# KiCad board coconut42.kicad_pcb (continued)
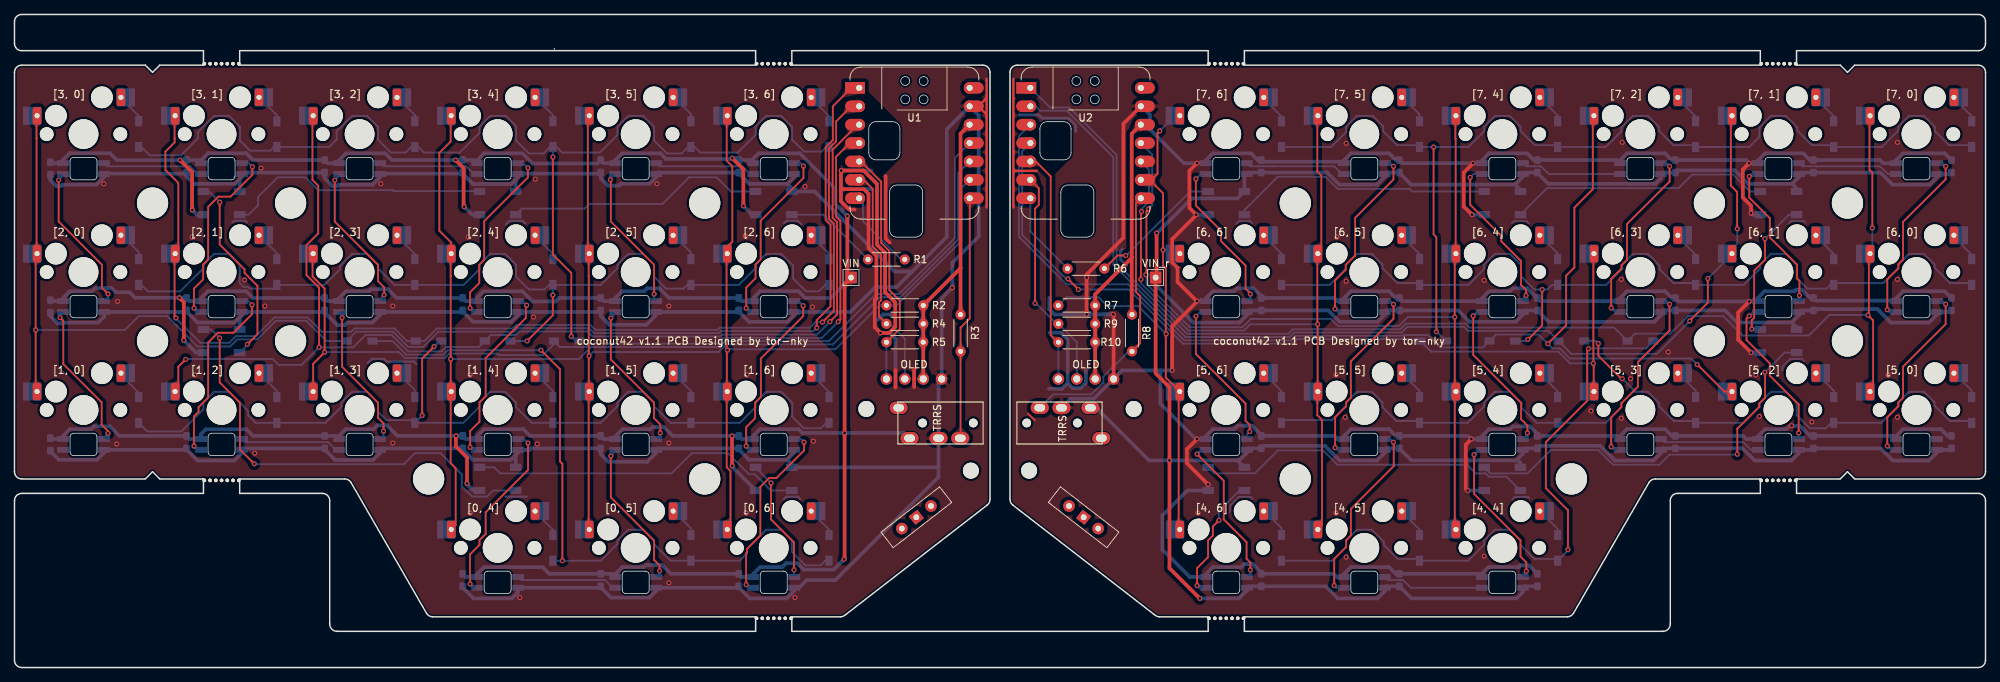
[diagram p0: board, top side]
## Routing (per net, layer and track width the routed paths; a pad name or vN(x,y) marks a point on that pad's centre or on a via; arc(x,y) is an arc through that point) (continued)
Net-(D13-K): length 4
  Bottom w0.254: SW13.2 15.37,59.16 17.15,57.39 D13.1
Net-(D14-K): length 4
  Bottom w0.254: D14.1 36.2,57.26 34.42,59.04 SW14.2
Net-(D15-K): length 4
  Bottom w0.254: D15.1 55.25,57.13 53.47,58.91 SW15.2
Net-(D16-K): length 4
  Bottom w0.254: D16.1 74.3,57.13 72.52,58.91 SW16.2
Net-(D17-K): length 4
  Bottom w0.254: D17.1 93.35,57.33 91.57,59.11 SW17.2
Net-(D18-K): length 4
  Bottom w0.254: D18.1 112.4,57.18 110.62,58.96 SW18.2
Net-(D19-A): length 128
  Top w0.254: v1(210.82,52.21) 210.82,47.26 208.87,45.31 v1(208.83,45.31)
  Bottom w0.254: D48.1 208.62,45.1 v1(208.83,45.31) ; D24.2 269.84,53.1 267.09,53.1 264.98,55.21 264.98,55.66 263.51,57.13 261.44,57.13 259.94,55.63 259.94,55.13 257.9,53.1 251.3,53.1 D23.2 250.57,52.85 250.06,52.34 247.4,52.34 245.93,53.8 245.93,55.66 244.46,57.13 242.39,57.13 240.92,55.66 240.92,55.14 238.63,52.85 D22.2 231.74,53.1 228.92,53.1 227.02,55.01 227.02,55.53 225.41,57.13 223.34,57.13 221.87,55.66 221.87,55.06 219.65,52.85 D21.2 212.16,52.85 211.52,52.21 v1(210.82,52.21) 209.74,52.21 207.9,54.05 207.9,55.6 206.36,57.13 204.29,57.13 202.82,55.66 202.82,55.04 200.63,52.85 D20.2 193.64,53.1 190.85,53.1 188.78,55.17 188.78,55.66 187.31,57.13 185.24,57.13 183.77,55.66 183.77,55.13 181.49,52.85 D19.2
Net-(D19-K): length 4
  Bottom w0.254: D19.1 174.85,57.17 173.07,58.94 SW19.2
Net-(D20-K): length 4
  Bottom w0.254: D20.1 193.9,57.11 192.12,58.89 SW20.2
Net-(D21-K): length 4
  Bottom w0.254: D21.1 212.95,57.22 211.17,58.99 SW21.2
Net-(D22-K): length 4
  Bottom w0.254: D22.1 232,57.01 230.22,58.79 SW22.2
Net-(D23-K): length 4
  Bottom w0.254: D23.1 251.05,57.11 249.27,58.89 SW23.2
Net-(D24-K): length 4
  Bottom w0.254: D24.1 270.1,57.01 268.32,58.79 SW24.2
Net-(D25-A): length 132.7
  Top w0.254: v1(57.91,44.34) 56.26,42.69 v1(56.26,34.81)
  Bottom w0.254: D27.2 54.88,34.17 51.32,34.17 50.17,35.32 50.17,36.58 48.66,38.08 46.59,38.08 45.12,36.61 45.12,35.99 42.93,33.8 D26.2 33.27,33.8 32.25,34.82 32.25,35.45 29.61,38.08 27.54,38.08 26.07,36.61 26.07,35.65 23.01,32.6 18.35,32.6 D25.2 ; D27.2 55.25,33.8 v1(56.26,34.81) ; D27.2 61.95,33.8 64.17,36.02 64.17,36.61 65.64,38.08 67.71,38.08 69.22,36.58 69.22,35.96 71.37,33.8 D28.2 80.9,33.8 83.22,36.12 83.22,36.61 84.69,38.08 86.76,38.08 88.27,36.58 88.27,36.08 90.55,33.8 D29.2 100.08,33.8 102.27,35.99 102.27,36.61 103.74,38.08 105.81,38.08 107.34,36.56 107.34,34.64 108.94,33.04 111.25,33.04 112.02,33.8 D30.2 ; 57.66,44.34 v1(57.91,44.34) 58.67,45.1 D45.1
Net-(D25-K): length 4
  Bottom w0.254: D25.1 17.15,37.95 15.37,39.73 SW25.2
Net-(D26-K): length 4
  Bottom w0.254: SW26.2 34.42,39.99 36.2,38.21 D26.1
Net-(D27-K): length 4
  Bottom w0.254: D27.1 55.25,38.34 53.47,40.11 SW27.2
Net-(D28-K): length 4
  Bottom w0.254: SW28.2 72.52,39.99 74.3,38.21 D28.1
Net-(D29-K): length 4
  Bottom w0.254: D29.1 93.35,38.21 91.57,39.99 SW29.2
Net-(D30-K): length 4
  Bottom w0.254: SW30.2 110.62,39.86 112.4,38.08 D30.1
Net-(D31-A): length 128.2
  Top w0.254: v1(221.87,39.89) 221.74,39.89 218.57,43.07 218.57,44.76 v1(218.57,44.76)
  Bottom w0.254: 223.34,38.08 223.34,38.46 223.01,38.79 222.97,38.79 v1(221.87,39.89) ; 223.34,38.08 221.74,36.49 221.74,35.96 219.59,33.8 D33.2 212.94,33.8 210.06,33.8 207.99,35.86 207.99,36.45 206.36,38.08 204.29,38.08 202.82,36.61 202.82,36.09 200.53,33.8 D32.2 193.64,34.05 190.69,34.05 188.79,35.96 188.79,36.61 187.31,38.08 185.24,38.08 183.77,36.61 183.77,36.16 181.78,34.17 180.61,34.17 180.6,34.18 175.22,34.18 D31.2 ; 223.34,38.08 225.41,38.08 225.41,38.08 226.95,36.55 226.95,36.09 228.99,34.05 231.74,34.05 D34.2 238.63,33.8 240.86,36.03 240.86,36.56 242.39,38.08 244.46,38.08 245.93,36.61 245.93,34.88 247.78,33.04 249.94,33.04 250.7,33.8 D35.2 257.61,33.8 259.97,36.16 259.97,36.61 261.44,38.08 263.51,38.08 264.96,36.63 264.96,36.18 267.09,34.05 269.84,34.05 D36.2 ; v1(218.57,44.76) 218.23,45.1 D49.1
Net-(D31-K): length 4
  Bottom w0.254: SW31.2 173.07,39.94 174.85,38.17 D31.1
Net-(D32-K): length 4
  Bottom w0.254: D32.1 193.9,38.22 192.12,39.99 SW32.2
Net-(D33-K): length 4
  Bottom w0.254: SW33.2 211.17,39.94 212.95,38.17 D33.1
Net-(D34-K): length 4
  Bottom w0.254: SW34.2 230.22,40.05 232,38.27 D34.1
Net-(D35-K): length 4
  Bottom w0.254: D35.1 251.05,38.27 249.27,40.05 SW35.2
Net-(D36-K): length 4
  Bottom w0.254: SW36.2 268.32,40.05 270.1,38.27 D36.1
Net-(D37-A): length 102.2
  Top w0.254: v1(72.64,43.83) 75.28,41.2 75.28,28.46 75.61,28.13 v1(75.61,14.75)
  Bottom w0.254: D39.2 111.89,14.75 111.25,14.11 109.15,14.11 107.28,15.98 107.28,17.56 105.81,19.03 103.74,19.03 101.1,16.4 101.1,15.78 100.08,14.75 D38.2 90.55,14.75 88.27,17.03 88.27,17.53 86.76,19.03 84.69,19.03 83.22,17.56 83.22,17.07 80.9,14.75 v1(75.61,14.75) D37.2 ; v1(72.64,43.83) 72.63,43.82 59.8,43.82 59.19,43.21 54.06,43.21 52.16,45.1 D46.1
Net-(D37-K): length 4
  Bottom w0.254: D37.1 74.3,19.03 72.52,20.81 SW37.2
Net-(D38-K): length 4
  Bottom w0.254: SW38.2 91.57,21.01 93.35,19.23 D38.1
Net-(D39-K): length 4
  Bottom w0.254: SW39.2 110.62,20.84 112.4,19.07 D39.1
Net-(D40-A): length 89.7
  Top w0.254: v1(214.38,16.27) 214.38,21.72 211.33,24.77 211.33,31.13 217.04,36.84 217.04,43.88 v1(217.21,44.05)
  Bottom w0.254: v1(214.38,16.27) 214.38,16.18 D42.2 212.69,15 209.74,15 207.83,16.91 207.83,17.56 206.36,19.03 204.29,19.03 202.82,17.56 202.82,16.91 202.76,16.91 200.6,14.75 D41.2 193.64,15 190.89,15 188.98,16.91 188.98,17.37 187.31,19.03 185.24,19.03 183.77,17.56 183.77,16.69 181.83,14.75 D40.2 ; D50.1 225.13,44.08 217.25,44.08 v1(217.21,44.05)
Net-(D40-K): length 4
  Bottom w0.254: D40.1 174.85,19.27 173.07,21.05 SW40.2
Net-(D41-K): length 4
  Bottom w0.254: D41.1 193.9,19.07 192.12,20.84 SW41.2
Net-(D42-K): length 4
  Bottom w0.254: D42.1 212.95,19.17 211.17,20.94 SW42.2
Net-(LED1-DOUT): length 36
  Bottom w0.254: LED2.4 70.01,63.39 78.68,63.39 79.31,64.02 89.41,64.02 93.09,67.71 96.9,67.71 98.86,65.75 LED1.2
Net-(LED2-DOUT): length 36.7
  Bottom w0.254: LED2.2 64.12,65.8 52.32,65.8 52.2,65.93 41.91,65.93 40.13,67.71 36.32,67.71 33.62,65.01 33.62,63.86 32.32,62.55 LED3.4
Net-(LED3-DOUT): length 26.8
  Top w0.254: v1(32.13,44.65) 33.53,46.05 33.53,52.72 31.75,54.5 31.75,55 28.32,58.42 v1(28.32,64.28)
  Bottom w0.254: v1(28.32,64.28) 26.85,65.75 LED3.2 ; LED4.4 32.13,44.56 v1(32.13,44.65)
Net-(LED4-DOUT): length 62.6
  Top w0.254: v1(28.3,45.52) 28.32,45.51 28.32,39.37 31.12,36.58 31.12,30.11 v1(33.09,28.14)
  Bottom w0.254: v1(28.3,45.52) 27.13,46.7 LED4.2 ; v1(33.09,28.14) 33.15,28.08 53.72,28.08 55.25,29.61 58.8,29.61 61.72,26.69 61.72,25.03 63.13,23.62 65.23,23.62 66.06,24.45 LED5.4
Net-(LED5-DOUT): length 46.8
  Bottom w0.254: LED5.2 66.22,27.65 67.06,26.81 90.68,26.81 93.47,29.61 98.45,29.61 101.37,26.69 102.16,26.69 103.97,24.88 103.97,24.86 104.38,24.45 LED6.4
Net-(LED6-DOUT): length 17.3
  Top w0.254: v1(107.57,13.48) 107.57,17.29 104.39,20.46 104.39,25.47 v1(104.41,25.49)
  Bottom w0.254: 107.63,12.51 107.57,12.57 v1(107.57,13.48) ; v1(104.41,25.49) 102.28,27.63
Net-(LED7-DOUT): length 26.2
  Top w0.254: v1(108.97,31.13) 108.97,29.99 105.16,26.18 104.14,26.18 102.92,24.96 102.92,18.22 101.1,16.4 101.1,15.9 100.97,15.76 100.97,11.45 v1(100.97,11.44)
  Bottom w0.254: 107.63,31.56 108.53,31.56 v1(108.97,31.13) ; 101.93,11.01 101.41,11.01 v1(100.97,11.44)
Net-(LED8-DOUT): length 25.3
  Top w0.254: v1(108.84,49.98) 108.84,48.53 103,42.69 103,37.38 102.2,36.58 102.2,34.43 100.97,33.21 v1(100.97,30.58)
  Bottom w0.254: LED8.2 101.49,30.06 v1(100.97,30.58) ; 107.63,50.61 108.21,50.61 v1(108.84,49.98)
Net-(LED10-DIN): length 25.5
  Top w0.254: v1(108.88,69.27) 108.88,67.62 102.97,61.71 102.97,56.37 102.27,55.66 102.27,53.77 100.97,52.48 v1(100.97,49.63)
  Bottom w0.254: v1(100.97,49.63) 101.49,49.11 101.93,49.11 ; 107.63,69.66 108.48,69.66 v1(108.88,69.27)
Net-(LED10-DOUT): length 14
  Bottom w0.203: 100.33,69.23 100.33,69.23
  Bottom w0.249: 100.33,69.23 100.33,69.23 ; 99.57,69.23 99.57,69.23
  Bottom w0.25: 99.57,69.23 100.33,69.23
  Bottom w0.254: 88.58,69.66 89.01,69.23 99.57,69.23 ; 100.33,69.23 100.43,69.23 101.5,68.16 101.93,68.16
Net-(LED11-DOUT): length 20.5
  Top w0.254: v1(88.27,51.58) 88.27,55.63 82.3,61.6 82.3,67.33 v1(82.23,67.39)
  Bottom w0.254: 88.58,50.61 88.27,50.92 v1(88.27,51.58) ; v1(82.23,67.39) 82.23,67.53 82.93,68.23
Net-(LED12-DOUT): length 20.9
  Top w0.254: v1(89.12,32.4) 89.12,33.58 88.27,34.43 88.27,36.58 82.3,42.55 v1(82.3,48.28)
  Bottom w0.254: 82.93,49.17 82.93,48.9 v1(82.3,48.28) ; 88.58,31.56 89.12,32.11 v1(89.12,32.4)
Net-(LED13-DOUT): length 20.8
  Top w0.254: v1(89.03,13.35) 89.03,14.11 88.27,14.87 88.27,17.53 82.3,23.5 v1(82.3,29.23)
  Bottom w0.254: 88.58,12.51 89.03,12.96 v1(89.03,13.35) ; v1(82.3,29.23) 82.93,29.85 82.93,30.12
Net-(LED14-DOUT): length 14
  Bottom w0.203: 81.28,12.08 81.28,12.08
  Bottom w0.25: 81.28,12.08 81.28,12.08 80.52,12.08 80.52,12.08
  Bottom w0.254: 81.28,12.08 81.48,12.08 82.49,11.07 82.93,11.07 ; 69.53,12.51 69.96,12.08 80.52,12.08
Net-(LED15-DOUT): length 25.7
  Top w0.254: 70.87,30.88 v1(70.87,31) 70.87,27.29 65.02,21.44 65.02,18.46 64.17,17.6 64.17,16.94 62.87,15.64 62.87,11.54 v1(62.87,11.53)
  Bottom w0.254: v1(70.87,31) 70.31,31.56 69.53,31.56 ; LED15.2 63.39,11.01 v1(62.87,11.53)
Net-(LED16-DOUT): length 25.4
  Top w0.254: v1(70.68,50.05) 70.57,49.95 70.57,48.29 65.02,42.75 65.02,37.47 64.17,36.61 64.17,33.96 62.87,32.66 v1(62.87,30.41)
  Bottom w0.254: 63.83,30.06 63.22,30.06 v1(62.87,30.41) ; v1(70.68,50.05) 70.12,50.61 69.53,50.61
Net-(LED17-DOUT): length 25.5
  Top w0.254: v1(70.86,69.02) 70.86,67.7 64.82,61.66 64.82,56.32 64.14,55.63 64.14,53.1 62.87,51.84 v1(62.87,49.63)
  Bottom w0.254: v1(70.86,69.02) 70.22,69.66 69.53,69.66 ; 63.83,49.11 63.39,49.11 v1(62.87,49.63)
Net-(LED18-DOUT): length 14
  Bottom w0.25: 61.47,69.23 62.23,69.23
  Bottom w0.254: 62.23,69.23 62.33,69.23 63.4,68.16 63.83,68.16 ; 61.47,69.23 50.91,69.23 50.52,69.62 50.43,69.62
Net-(LED19-DOUT): length 20.8
  Top w0.254: v1(51.01,51.46) 51.02,51.46 51.02,52.5 50.17,53.36 50.17,55.63 44.2,61.6 v1(44.2,67.31)
  Bottom w0.254: v1(44.2,67.31) 44.78,67.89 44.78,68.16 ; 50.48,50.61 50.48,50.92 v1(51.01,51.46)
Net-(LED20-DOUT): length 20.3
  Top w0.254: v1(45.22,48.34) 45.21,48.33 45.21,41.53 50.17,36.58 50.17,34.5 50.93,33.74 v1(50.93,32.65)
  Bottom w0.254: v1(45.22,48.34) 45.22,48.69 LED20.2 44.78,49.11 ; v1(50.93,32.65) 50.93,32.01 50.48,31.56
Net-(LED21-DOUT): length 14
  Bottom w0.25: 42.42,31.13 43.18,31.13
  Bottom w0.254: 31.38,31.52 31.77,31.13 42.42,31.13 ; 44.83,30.12 44.29,30.12 43.28,31.13 43.18,31.13
Net-(LED22-DOUT): length 26.8
  Top w0.254: v1(32.77,50.11) 32.77,48.78 30.23,46.24 28.07,46.24 26.72,44.9 26.72,37.28 25.4,35.96 25.4,35.32 24.77,34.69 24.77,30.59 v1(24.77,30.58)
  Bottom w0.254: v1(24.77,30.58) 25.29,30.06 25.73,30.06 ; 31.43,50.61 32.26,50.61 v1(32.77,50.11)
Net-(LED23-DOUT): length 26.6
  Top w0.254: v1(32.83,69.17) 32.83,68.06 29.81,65.04 28.13,65.04 26.72,63.64 26.72,56.35 26.04,55.67 26.04,53.61 24.77,52.34 24.77,49.64 v1(24.77,49.63)
  Bottom w0.254: v1(32.83,69.17) 32.33,69.66 31.43,69.66 ; v1(24.77,49.63) 25.29,49.11 25.73,49.11
Net-(LED24-DOUT): length 14
  Bottom w0.203: 24.13,69.23 24.13,69.23
  Bottom w0.241: 24.13,69.23 24.13,69.23 ; 23.37,69.23 23.37,69.23
  Bottom w0.249: 23.37,69.23 24.13,69.23
  Bottom w0.254: 12.38,69.66 12.81,69.23 13.46,69.23 13.46,69.23 23.37,69.23 ; 24.13,69.23 24.23,69.23 25.3,68.16 25.73,68.16
Net-(LED25-DOUT): length 20.9
  Top w0.254: v1(12.91,51.6) 12.07,52.45 12.07,55.64 6.1,61.61 v1(6.1,67.33)
  Bottom w0.254: v1(12.91,51.6) 12.91,51.15 12.38,50.61 ; 6.73,68.22 6.73,67.95 v1(6.1,67.33)
Net-(LED26-DOUT): length 20.7
  Top w0.254: v1(6.28,48.34) 6.73,47.89 6.73,41.93 12.03,36.62 12.03,33.54 12.92,32.65 12.92,32.35 v1(12.91,32.34)
  Bottom w0.254: v1(12.91,32.34) 12.38,31.8 12.38,31.56 ; 6.68,49.11 6.28,48.72 v1(6.28,48.34)
Net-(LED28-DOUT): length 36.5
  Bottom w0.254: LED28.2 169.73,63.19 174.32,67.79 180.92,67.79 182.59,66.11 192.51,66.11 192.87,65.75 LED29.4
Net-(LED29-DOUT): length 36.4
  Bottom w0.254: LED29.2 211.49,66.22 229.65,66.22 231.52,68.09 237.17,68.09 239.5,65.75 LED30.4
Net-(LED30-DOUT): length 20.2
  Top w0.254: v1(239.74,46.75) 239.74,47.96 240.07,48.29 240.07,54.82 241.57,56.32 241.57,57.98 241.55,57.99 v1(241.55,59.23)
  Bottom w0.254: LED30.2 244.87,62.55 v1(241.55,59.23) ; LED31.4 239.79,46.7 v1(239.74,46.75)
Net-(LED31-DOUT): length 56.5
  Top w0.254: v1(237.74,29.46) 237.74,32.98 240.76,36 240.76,36.45 241.57,37.27 241.57,40.76 v1(241.55,40.78)
  Bottom w0.254: v1(237.74,29.46) 237.68,29.4 228.4,29.4 227,28.01 220.61,28.01 218.58,30.04 212.02,30.04 208.79,26.81 203.66,26.81 LED32.4 ; LED31.2 244.27,43.5 v1(241.55,40.78)
Net-(LED32-DOUT): length 47
  Bottom w0.254: LED33.4 165.55,26.82 171.17,26.82 174.34,29.99 180.59,29.99 182.57,28.01 200.45,28.01 201.64,26.81 203.02,26.81 203.47,26.36 205.88,26.36 207.78,24.45 LED32.2
Net-(LED33-DOUT): length 17.5
  Top w0.254: v1(166.21,20.33) 165.37,19.49 165.37,18.22 164.71,17.56 164.71,15.25 163.2,13.73 v1(163.2,11.32)
  Bottom w0.254: 164.38,11.01 163.5,11.01 v1(163.2,11.32) ; LED33.2 169.05,24.45 166.21,21.61 v1(166.21,20.33)
Net-(LED34-DOUT): length 21.6
  Top w0.254: v1(170.56,13.48) 170.56,14.49 170.03,15.03 170.03,17.32 166.88,20.46 166.88,25.8 v1(163.2,29.48)
  Bottom w0.254: v1(170.56,13.48) 170.56,13 170.08,12.51 ; 164.38,30.06 163.78,30.06 v1(163.2,29.48)
Net-(LED35-DOUT): length 21.8
  Top w0.254: v1(170.46,32.59) 170.46,33.51 169.89,34.09 169.89,36.45 163.03,43.31 v1(163.03,48.52)
  Bottom w0.254: 170.08,31.56 170.08,32.2 v1(170.46,32.59) ; 164.38,49.11 163.63,49.11 v1(163.03,48.52)
Net-(LED36-DOUT): length 21.8
  Top w0.254: v1(170.56,51.58) 170.56,51.67 169.89,52.34 169.89,55.5 166.5,58.9 166.5,60.34 163.03,63.8 v1(163.03,67.51)
  Bottom w0.254: v1(163.03,67.51) 163.69,68.16 164.38,68.16 ; v1(170.56,51.58) 170.56,51.1 170.08,50.61
Net-(LED37-DOUT): length 14
  Bottom w0.203: 172.43,69.23 172.43,69.23
  Bottom w0.25: 171.67,69.23 171.67,69.23 172.43,69.23 172.43,69.23
  Bottom w0.254: 171.67,69.23 170.51,69.23 170.08,69.66 ; 172.43,69.23 172.43,69.23 173.7,69.23 173.7,69.23 182.14,69.23 183.2,68.16 183.43,68.16
Net-(LED38-DOUT): length 25.8
  Top w0.254: v1(182.23,49.53) 182.23,53.47 183.71,54.95 183.71,55.62 185.01,56.91 185.01,62.12 190.3,67.42 v1(190.3,69.23)
  Bottom w0.254: v1(190.3,69.23) 189.87,69.66 189.13,69.66 ; v1(182.23,49.53) 182.65,49.11 183.43,49.11
Net-(LED39-DOUT): length 25.8
  Top w0.254: v1(190.31,50.18) 190.31,48.17 184.4,42.27 184.4,38.94 184.42,38.93 184.42,37.27 183.77,36.61 183.77,36.08 182.25,34.56 v1(182.25,30.37)
  Bottom w0.254: v1(182.25,30.37) 182.55,30.06 183.43,30.06 ; 189.13,50.61 189.87,50.61 v1(190.31,50.18)
Net-(LED40-DOUT): length 26
  Top w0.254: v1(190.31,31.13) 190.34,31.1 190.34,27.83 184.42,21.91 184.42,18.23 183.77,17.57 183.77,16.65 182.12,15 v1(182.12,11.32)
  Bottom w0.254: v1(190.31,31.13) 189.87,31.56 189.13,31.56 ; 183.43,11.01 182.42,11.01 v1(182.12,11.32)
Net-(LED41-DOUT): length 14
  Bottom w0.203: 191.48,12.08 191.48,12.08
  Bottom w0.25: 191.48,12.08 191.48,12.08 190.72,12.08 190.72,12.08
  Bottom w0.254: 190.72,12.08 189.56,12.08 189.13,12.51 ; 202.48,11.01 192.71,11.01 191.64,12.08 191.48,12.08
Net-(LED42-DOUT): length 21.4
  Top w0.254: v1(208.63,13.3) 208.63,14.52 207.83,15.32 207.83,17.56 201.42,23.97 v1(201.42,29.41)
  Bottom w0.254: v1(208.63,13.3) 208.18,12.84 208.18,12.51 ; 202.48,30.06 202.08,30.06 v1(201.42,29.41)
Net-(LED43-DOUT): length 21.8
  Top w0.254: v1(201.3,48.57) 201.3,43.2 207.9,36.59 207.9,34.31 208.79,33.42 v1(208.79,32.4)
  Bottom w0.254: 208.18,31.56 208.79,32.18 v1(208.79,32.4) ; v1(201.3,48.57) 201.84,49.11 202.48,49.11
Net-(LED44-DOUT): length 22.3
  Top w0.254: v1(208.6,51.39) 208.6,52.15 207.9,52.85 207.9,56.15 205.18,58.87 205.18,59.63 200.88,63.93 v1(200.88,67.71)
  Bottom w0.254: 208.18,50.61 208.18,50.96 v1(208.6,51.39) ; v1(200.88,67.71) 201.34,68.16 202.48,68.16
Net-(LED45-DOUT): length 14
  Bottom w0.203: 210.53,69.23 210.53,69.23
  Bottom w0.25: 210.53,69.23 210.53,69.23 209.77,69.23 209.77,69.23
  Bottom w0.254: 208.18,69.66 208.61,69.23 209.77,69.23 ; 221.53,68.16 211.73,68.16 210.66,69.23 210.53,69.23 ; 208.56,69.62 208.52,69.66
Net-(LED46-DOUT): length 25.7
  Top w0.254: v1(228.41,69.23) 228.41,67.13 222.52,61.25 222.52,56.32 221.76,55.55 221.76,55.1 220.35,53.69 v1(220.35,49.67)
  Bottom w0.254: 221.53,49.11 220.9,49.11 v1(220.35,49.67) ; v1(228.41,69.23) 227.97,69.66 227.23,69.66
Net-(LED47-DOUT): length 25.7
  Top w0.254: v1(220.35,30.5) 220.35,34.56 221.74,35.96 221.74,36.5 224.03,38.78 224.03,42.18 228.4,46.55 v1(228.4,50.18)
  Bottom w0.254: 227.23,50.61 227.97,50.61 v1(228.4,50.18) ; 221.53,30.06 220.78,30.06 v1(220.35,30.5)
Net-(LED48-DOUT): length 14
  Bottom w0.203: 229.67,31.13 229.68,31.13
  Bottom w0.25: 229.67,31.13 229.67,31.13 228.82,31.13 228.82,31.13
  Bottom w0.254: 228.82,31.13 227.66,31.13 227.23,31.56 ; 229.68,31.13 229.68,31.13 238.58,31.13 239.65,30.06 240.58,30.06
Net-(LED49-DOUT): length 21.6
  Top w0.254: v1(239.4,48.57) 239.01,48.19 239.01,45.23 242.23,42.01 242.23,40.33 246.23,36.33 v1(246.23,32.4)
  Bottom w0.254: v1(239.4,48.57) 239.94,49.11 240.58,49.11 ; 246.28,31.56 246.23,31.61 v1(246.23,32.4)
Net-(LED50-DOUT): length 21.6
  Top w0.254: v1(246.32,51.39) 246.32,53.41 246,53.74 246,55.64 242.23,59.41 242.23,62.08 239.4,64.91 v1(239.4,67.83)
  Bottom w0.254: v1(246.32,51.39) 246.28,51.34 246.28,50.61 ; 240.57,68.16 239.72,68.16 v1(239.4,67.83) 239.4,67.99
Net-(LED51-DOUT): length 14
  Bottom w0.203: 248.63,69.23 248.63,69.23
  Bottom w0.25: 248.63,69.23 248.63,69.23 247.87,69.23 247.87,69.23
  Bottom w0.254: 246.27,69.66 246.7,69.23 247.87,69.23 ; 259.63,68.16 258.52,68.16 257.45,69.23 248.63,69.23
Net-(LED52-DOUT): length 25.8
  Top w0.254: v1(266.5,69.23) 266.5,67.44 260.62,61.56 260.62,56.35 259.97,55.7 259.97,55.13 258.45,53.61 v1(258.45,49.42)
  Bottom w0.254: 265.33,69.66 266.07,69.66 v1(266.5,69.23) ; 259.63,49.11 258.75,49.11 v1(258.45,49.42)
Net-(LED53-DOUT): length 25.7
  Top w0.254: v1(258.45,30.59) 258.45,34.56 259.97,36.08 259.97,36.61 260.62,37.27 260.62,41.56 266.51,47.45 v1(266.51,50.18)
  Bottom w0.254: 259.63,30.06 258.97,30.06 v1(258.45,30.59) ; v1(266.51,50.18) 266.12,50.57 265.28,50.57
Net-(U1-PB08_A6_D6_TX): length 11.4
  Bottom w0.254: U1.7 117.09,64.3 117.09,61.63 122.36,56.37 R1.1
Net-(U2-PB08_A6_D6_TX): length 11.9
  Bottom w0.254: U2.7 140.19,60.23 R6.1

## Copper pours and planes (outline as drawn; the poured copper is in the pictures)
GND on Top, Bottom: 0,83.2 134.62,83.2 134.62,22.88 114.3,7 57.15,7 46,26.05 0,26.05
GND_r on Top, Bottom: 272,83.2 137.38,83.2 137.38,22.88 157.7,7 214.85,7 226,26.05 272,26.05

Small or netless copper shapes (teardrops, artwork), in the pictures only: 280 on Top, 663 on Bottom

## Text on the board
F.Silkscreen: coconut42 v1.1 PCB Designed by tor-nky
